# KiCad board maggie42rs_pcb.kicad_pcb
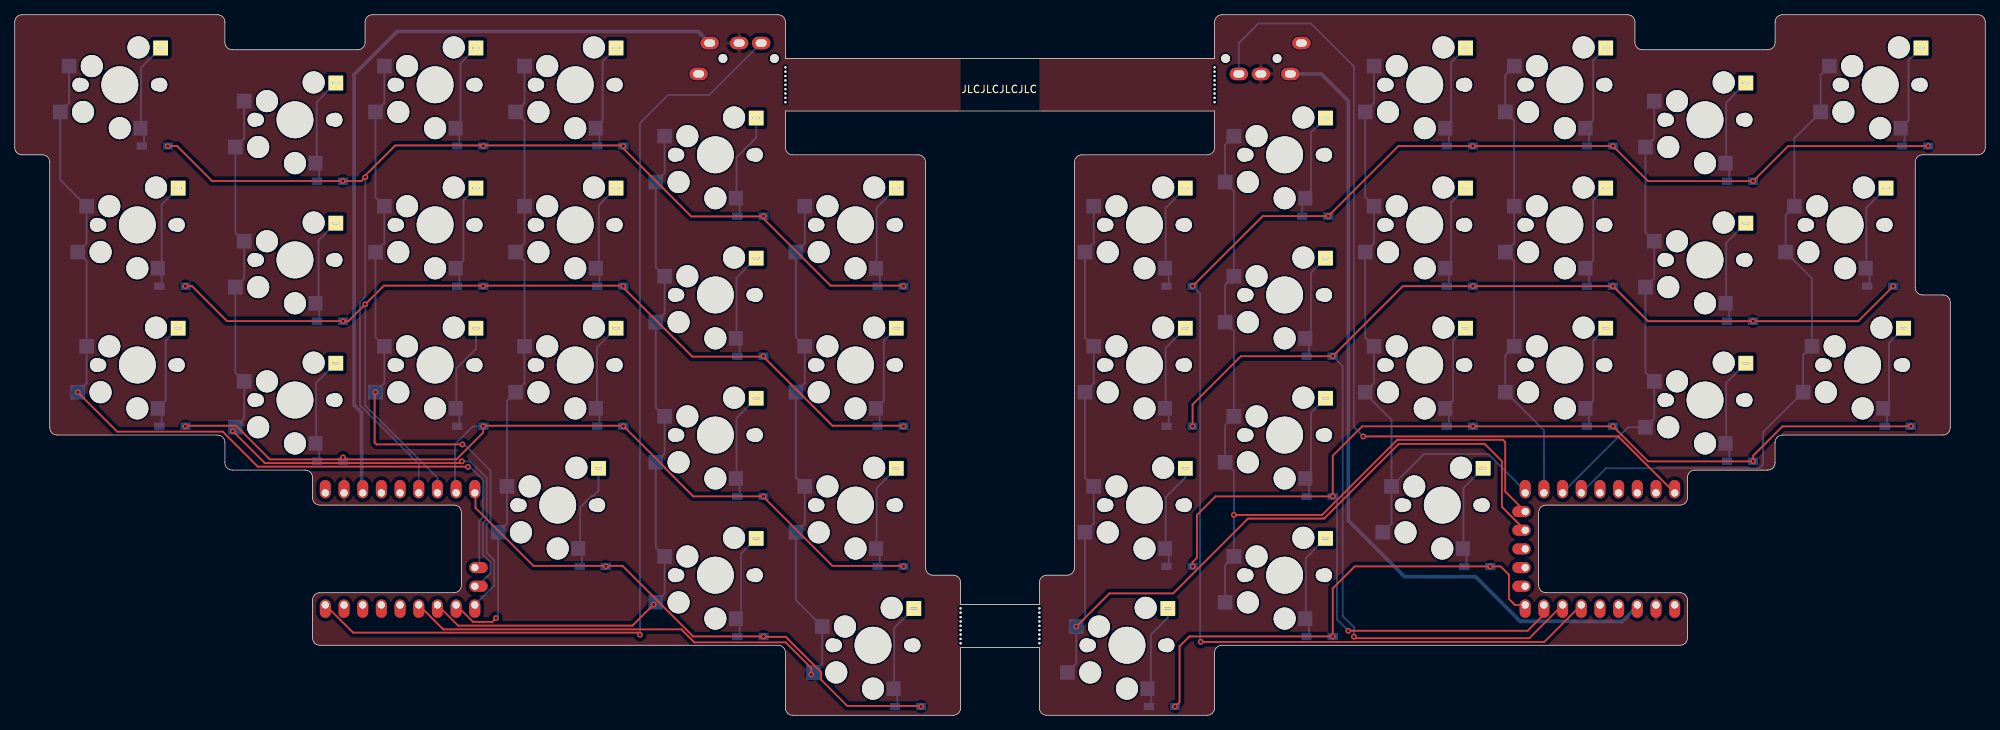
[diagram p0: board, top side]
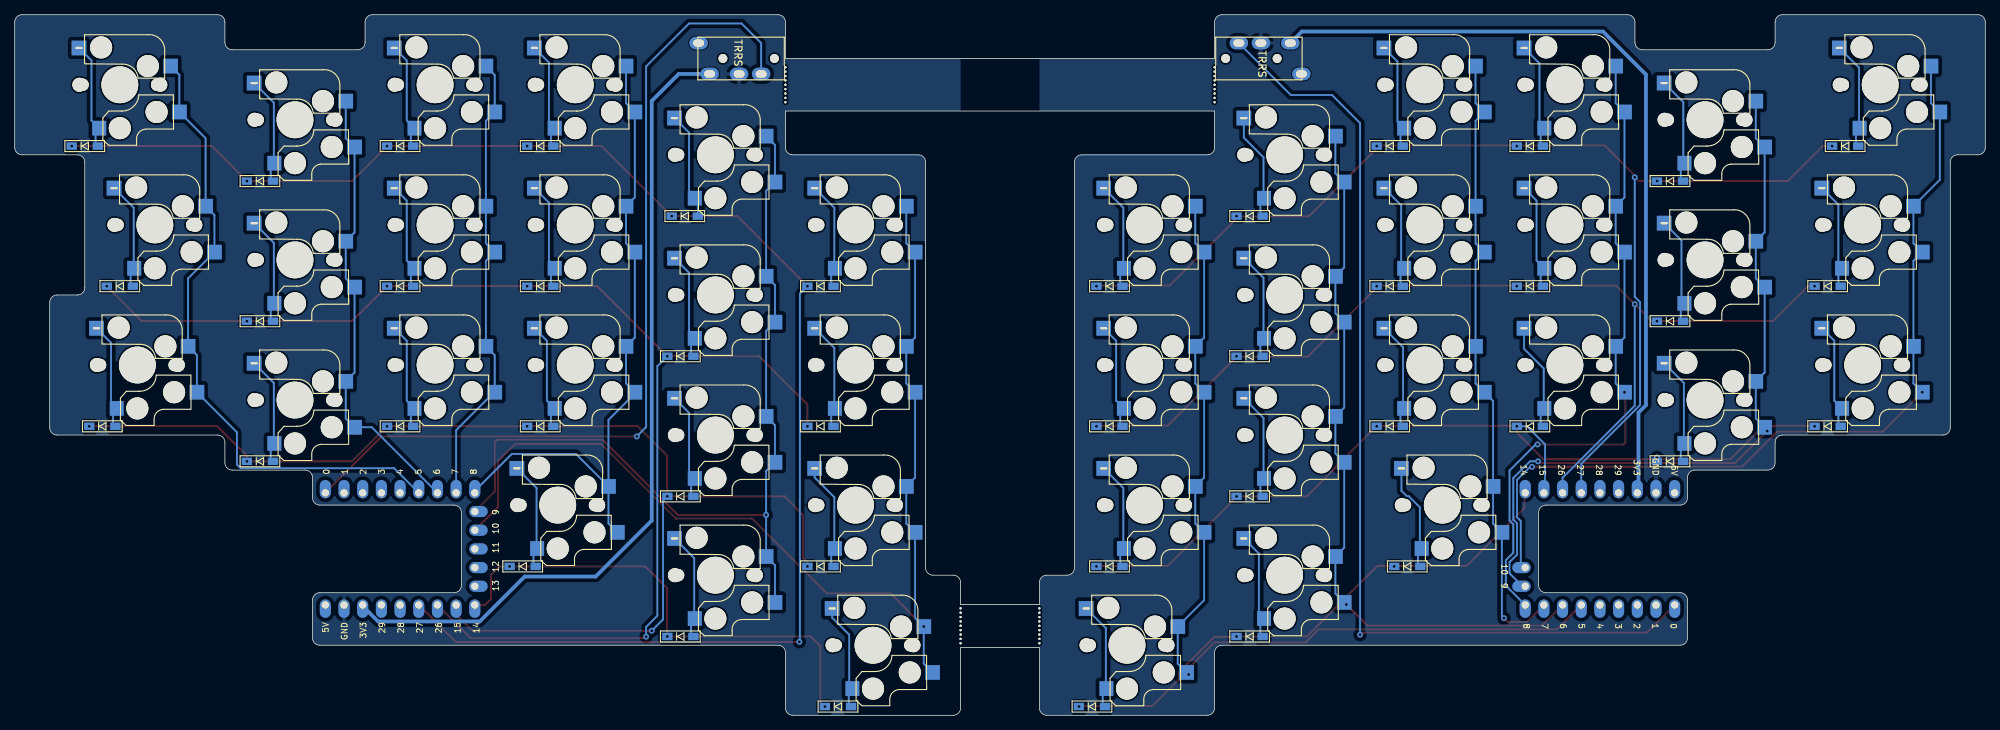
[diagram p1: board, bottom side, seen from below]

Outline 267.89 x 95.25 mm; copper layers: Top, Bottom. Coordinates in mm from the lower left corner of the outline.
Outline path: 0,94.25 arc(0.29,94.96) 1,95.25 27.57,95.25 arc(28.28,94.96) 28.57,94.25 28.57,91.49 arc(28.87,90.78) 29.57,90.49 46.62,90.49 arc(47.33,90.78) 47.62,91.49 47.62,94.25 arc(47.92,94.96) 48.62,95.25 103.78,95.25 arc(104.48,94.96) 104.78,94.25 104.78,89.3 163.12,89.3 163.12,94.25 arc(163.41,94.96) 164.12,95.25 219.27,95.25 arc(219.97,94.96) 220.27,94.25 220.27,91.49 arc(220.56,90.78) 221.27,90.49 238.32,90.49 arc(239.02,90.78) 239.32,91.49 239.32,94.25 arc(239.61,94.96) 240.32,95.25 266.89,95.25 arc(267.6,94.96) 267.89,94.25 267.89,77.2 arc(267.6,76.49) 266.89,76.2 259.37,76.2 arc(258.66,75.91) 258.37,75.2 258.37,58.15 arc(258.66,57.44) 259.37,57.15 262.13,57.15 arc(262.84,56.86) 263.13,56.15 263.13,39.1 arc(262.84,38.39) 262.13,38.1 240.32,38.1 arc(239.61,37.81) 239.32,37.1 239.32,34.34 arc(239.02,33.63) 238.32,33.34 228.41,33.34 arc(227.7,33.04) 227.41,32.34 227.41,29.57 arc(227.12,28.87) 226.41,28.57 208.17,28.57 arc(207.46,28.28) 207.17,27.57 207.17,17.67 arc(207.46,16.96) 208.17,16.67 226.41,16.67 arc(227.12,16.38) 227.41,15.67 227.41,10.52 arc(227.12,9.82) 226.41,9.52 164.12,9.52 arc(163.41,9.23) 163.12,8.52 163.12,1 arc(162.82,0.29) 162.12,0 140.3,0 arc(139.6,0.29) 139.3,1 139.3,9.21 128.59,9.21 128.59,1 arc(128.29,0.29) 127.59,0 105.78,0 arc(105.07,0.29) 104.78,1 104.78,8.52 arc(104.48,9.23) 103.78,9.52 41.48,9.52 arc(40.77,9.82) 40.48,10.52 40.48,15.67 arc(40.77,16.38) 41.48,16.67 59.72,16.67 arc(60.43,16.96) 60.72,17.67 60.72,27.57 arc(60.43,28.28) 59.72,28.57 41.48,28.57 arc(40.77,28.87) 40.48,29.57 40.48,32.34 arc(40.19,33.04) 39.48,33.34 29.57,33.34 arc(28.87,33.63) 28.57,34.34 28.57,37.1 arc(28.28,37.81) 27.57,38.1 5.76,38.1 arc(5.06,38.39) 4.76,39.1 4.76,75.2 arc(4.47,75.91) 3.76,76.2 1,76.2 arc(0.29,76.49) 0,77.2 0,94.25 ; 104.78,77.2 104.78,82.15 163.12,82.15 163.12,77.2 arc(162.82,76.49) 162.12,76.2 145.07,76.2 arc(144.36,75.91) 144.07,75.2 144.07,20.05 arc(143.77,19.34) 143.07,19.05 140.3,19.05 arc(139.6,18.76) 139.3,18.05 139.3,15.05 128.59,15.05 128.59,18.05 arc(128.29,18.76) 127.59,19.05 124.83,19.05 arc(124.12,19.34) 123.83,20.05 123.83,75.2 arc(123.53,75.91) 122.83,76.2 105.78,76.2 arc(105.07,76.49) 104.78,77.2

## Placement (name value [footprint] x y rotation side)
D1  D  [D3_SMD_v2]  19.05 77.39 180 bottom
D2  D  [D3_SMD_v2]  42.86 72.63 180 bottom
D3  D  [D3_SMD_v2]  61.91 77.39 180 bottom
D4  D  [D3_SMD_v2]  80.96 77.39 180 bottom
D5  D  [D3_SMD_v2]  100.01 67.87 180 bottom
D6  D  [D3_SMD_v2]  119.06 58.34 180 bottom
D7  D  [D3_SMD_v2]  21.43 58.34 180 bottom
D8  D  [D3_SMD_v2]  42.86 53.58 180 bottom
D9  D  [D3_SMD_v2]  61.91 58.34 180 bottom
D10  D  [D3_SMD_v2]  80.96 58.34 180 bottom
D11  D  [D3_SMD_v2]  100.01 48.82 180 bottom
D12  D  [D3_SMD_v2]  119.06 39.29 180 bottom
D13  D  [D3_SMD_v2]  21.43 39.29 180 bottom
D14  D  [D3_SMD_v2]  42.86 34.53 180 bottom
D15  D  [D3_SMD_v2]  61.91 39.29 180 bottom
D16  D  [D3_SMD_v2]  80.96 39.29 180 bottom
D17  D  [D3_SMD_v2]  100.01 29.77 180 bottom
D18  D  [D3_SMD_v2]  119.06 20.24 180 bottom
D19  D  [D3_SMD_v2]  78.58 20.24 180 bottom
D20  D  [D3_SMD_v2]  100.01 10.72 180 bottom
D21  D  [D3_SMD_v2]  121.44 1.19 180 bottom
D22  D  [D3_SMD_v2]  158.35 58.34 180 bottom
D23  D  [D3_SMD_v2]  176.8 67.87 180 bottom
D24  D  [D3_SMD_v2]  196.45 77.39 180 bottom
D25  D  [D3_SMD_v2]  215.5 77.39 180 bottom
D26  D  [D3_SMD_v2]  234.55 72.63 180 bottom
D27  D  [D3_SMD_v2]  258.37 77.39 180 bottom
D28  D  [D3_SMD_v2]  158.35 39.29 180 bottom
D29  D  [D3_SMD_v2]  177.4 48.82 180 bottom
D30  D  [D3_SMD_v2]  196.45 58.34 180 bottom
D31  D  [D3_SMD_v2]  215.5 58.34 180 bottom
D32  D  [D3_SMD_v2]  234.55 53.58 180 bottom
D33  D  [D3_SMD_v2]  253.6 58.34 180 bottom
D34  D  [D3_SMD_v2]  158.35 20.24 180 bottom
D35  D  [D3_SMD_v2]  177.4 29.77 180 bottom
D36  D  [D3_SMD_v2]  196.45 39.29 180 bottom
D37  D  [D3_SMD_v2]  215.5 39.29 180 bottom
D38  D  [D3_SMD_v2]  234.55 34.53 180 bottom
D39  D  [D3_SMD_v2]  255.98 39.29 180 bottom
D40  D  [D3_SMD_v2]  155.97 1.19 180 bottom
D41  D  [D3_SMD_v2]  177.4 10.72 180 bottom
D42  D  [D3_SMD_v2]  198.83 20.24 180 bottom
J1  TRRS  [MJ-4PP-9_1side]  104.78 89.3 90 bottom
J2  TRRS  [MJ-4PP-9_1side]  163.12 89.3 270 bottom
REF**  -  [Breakaway_Tabs]  128.59 12.17 90 top
REF**#2  -  [Breakaway_Tabs]  139.3 12.17 90 top
REF**#3  -  [Breakaway_Tabs]  163.12 85.72 90 top
REF**#4  -  [Breakaway_Tabs]  104.78 85.72 90 top
SW1  SW_PUSH  [CherryMX_ChocV2_Hotswap_1.5u]  14.29 85.72 0 top
SW2  SW_PUSH  [CherryMX_ChocV2_Hotswap]  38.1 80.96 0 top
SW3  SW_PUSH  [CherryMX_ChocV2_Hotswap]  57.15 85.72 0 top
SW4  SW_PUSH  [CherryMX_ChocV2_Hotswap]  76.2 85.72 0 top
SW5  SW_PUSH  [CherryMX_ChocV2_Hotswap]  95.25 76.2 0 top
SW6  SW_PUSH  [CherryMX_ChocV2_Hotswap]  114.3 66.67 0 top
SW7  SW_PUSH  [CherryMX_ChocV2_Hotswap_1.25u]  16.67 66.67 0 top
SW8  SW_PUSH  [CherryMX_ChocV2_Hotswap]  38.1 61.91 0 top
SW9  SW_PUSH  [CherryMX_ChocV2_Hotswap]  57.15 66.67 0 top
SW10  SW_PUSH  [CherryMX_ChocV2_Hotswap]  76.2 66.67 0 top
SW11  SW_PUSH  [CherryMX_ChocV2_Hotswap]  95.25 57.15 0 top
SW12  SW_PUSH  [CherryMX_ChocV2_Hotswap]  114.3 47.62 0 top
SW13  SW_PUSH  [CherryMX_ChocV2_Hotswap_1.25u]  16.67 47.62 0 top
SW14  SW_PUSH  [CherryMX_ChocV2_Hotswap]  38.1 42.86 0 top
SW15  SW_PUSH  [CherryMX_ChocV2_Hotswap]  57.15 47.62 0 top
SW16  SW_PUSH  [CherryMX_ChocV2_Hotswap]  76.2 47.62 0 top
SW17  SW_PUSH  [CherryMX_ChocV2_Hotswap]  95.25 38.1 0 top
SW18  SW_PUSH  [CherryMX_ChocV2_Hotswap]  114.3 28.57 0 top
SW19  SW_PUSH  [CherryMX_ChocV2_Hotswap_1.25u]  73.82 28.57 0 top
SW20  SW_PUSH  [CherryMX_ChocV2_Hotswap]  95.25 19.05 0 top
SW21  SW_PUSH  [CherryMX_ChocV2_Hotswap_1.25u]  116.68 9.52 0 top
SW22  SW_PUSH  [CherryMX_ChocV2_Hotswap]  153.59 66.67 0 top
SW23  SW_PUSH  [CherryMX_ChocV2_Hotswap]  172.64 76.2 0 top
SW24  SW_PUSH  [CherryMX_ChocV2_Hotswap]  191.69 85.72 0 top
SW25  SW_PUSH  [CherryMX_ChocV2_Hotswap]  210.74 85.72 0 top
SW26  SW_PUSH  [CherryMX_ChocV2_Hotswap]  229.79 80.96 0 top
SW27  SW_PUSH  [CherryMX_ChocV2_Hotswap_1.5u]  253.6 85.72 0 top
SW28  SW_PUSH  [CherryMX_ChocV2_Hotswap]  153.59 47.62 0 top
SW29  SW_PUSH  [CherryMX_ChocV2_Hotswap]  172.64 57.15 0 top
SW30  SW_PUSH  [CherryMX_ChocV2_Hotswap]  191.69 66.67 0 top
SW31  SW_PUSH  [CherryMX_ChocV2_Hotswap]  210.74 66.67 0 top
SW32  SW_PUSH  [CherryMX_ChocV2_Hotswap]  229.79 61.91 0 top
SW33  SW_PUSH  [CherryMX_ChocV2_Hotswap]  248.84 66.67 0 top
SW34  SW_PUSH  [CherryMX_ChocV2_Hotswap]  153.59 28.57 0 top
SW35  SW_PUSH  [CherryMX_ChocV2_Hotswap]  172.64 38.1 0 top
SW36  SW_PUSH  [CherryMX_ChocV2_Hotswap]  191.69 47.62 0 top
SW37  SW_PUSH  [CherryMX_ChocV2_Hotswap]  210.74 47.62 0 top
SW38  SW_PUSH  [CherryMX_ChocV2_Hotswap]  229.79 42.86 0 top
SW39  SW_PUSH  [CherryMX_ChocV2_Hotswap_1.25u]  251.22 47.62 0 top
SW40  SW_PUSH  [CherryMX_ChocV2_Hotswap_1.25u]  151.21 9.52 0 top
SW41  SW_PUSH  [CherryMX_ChocV2_Hotswap]  172.64 19.05 0 top
SW42  SW_PUSH  [CherryMX_ChocV2_Hotswap_1.25u]  194.07 28.57 0 top
U1  rp2040-zero  [rp2040-zero-tht]  52.39 22.62 270 bottom
U2  rp2040-zero  [rp2040-zero-tht#2]  215.5 22.62 90 bottom

## Library data of the parts
D1-D42 = -: Description: Diode; Sim.Pins: 1=K 2=A

## Footprints (pads in the part's own frame, mm; a bottom-side part is the same pattern mirrored in y, then rotated)
Breakaway_Tabs
  round 0.3 hole 0.3 unplated: (-2.375,0) (-1.781,0) (-1.188,0) (-0.594,0) (0,0) (0.594,0) (1.188,0) (1.781,0) (2.375,0)
CherryMX_ChocV2_Hotswap
  round 1.9 hole 1.9 unplated: (-5.5,0) (5.5,0)
  round 1.7 hole 1.7 unplated: (-5.08,0) (5.08,0)
  round 3 hole 3 unplated: (-5,-3.7) (-3.81,2.54) (0,-5.9) (2.54,5.08)
  round 4 hole 4 unplated: (0,0)
  round 5 hole 5 unplated: (0,0)
  rect 2x2 smd far side: 1(-8.1,-3.7) 1(-6.9,2.54)
  rect 1.9x2 smd far side: 2(2.8,-5.9)
  rect 2x2 hole 1x0.3: 2(5.55,5)
CherryMX_ChocV2_Hotswap_1.5u
  round 1.9 hole 1.9 unplated: (-5.5,0) (5.5,0)
  round 1.7 hole 1.7 unplated: (-5.08,0) (5.08,0)
  round 3 hole 3 unplated: (-5,-3.7) (-3.81,2.54) (0,-5.9) (2.54,5.08)
  round 4 hole 4 unplated: (0,0)
  round 5 hole 5 unplated: (0,0)
  rect 2x2 smd far side: 1(-8.1,-3.7) 1(-6.9,2.54)
  rect 1.9x2 smd far side: 2(2.8,-5.9)
  rect 2x2 hole 1x0.3: 2(5.55,5)
CherryMX_ChocV2_Hotswap_1.25u
  round 1.9 hole 1.9 unplated: (-5.5,0) (5.5,0)
  round 1.7 hole 1.7 unplated: (-5.08,0) (5.08,0)
  round 3 hole 3 unplated: (-5,-3.7) (-3.81,2.54) (0,-5.9) (2.54,5.08)
  round 4 hole 4 unplated: (0,0)
  round 5 hole 5 unplated: (0,0)
  rect 2x2 smd far side: 1(-8.1,-3.7) 1(-6.9,2.54)
  rect 1.9x2 smd far side: 2(2.8,-5.9)
  rect 2x2 hole 1x0.3: 2(5.55,5)
D3_SMD_v2
  rect 1.4x1 smd: 1(-1.775,0) 2(1.775,0)
MJ-4PP-9_1side
  round 1.2 hole 1.2 unplated: (0,-8.5) (0,-1.5)
  oval 1.7x2.5 hole 1x1.5: A(-2.1,-11.8) B(2.1,-3.3) C(2.1,-6.3) D(2.1,-10.3)
rp2040-zero-tht
  oval 2.5x1.5 hole 1: 1(7.62,10.16) 2(7.62,7.62) 3(7.62,5.08) 4(7.62,2.54) 5(7.62,0) 6(7.62,-2.54) 7(7.62,-5.08) 8(7.62,-7.62) 9(7.62,-10.16) 15(-7.62,-10.16) 16(-7.62,-7.62) 17(-7.62,-5.08) 18(-7.62,-2.54) 19(-7.62,0) 20(-7.62,2.54) 21(-7.62,5.08) 22(-7.62,7.62) 23(-7.62,10.16)
  oval 1.5x2.5 hole 1: 10(5.08,-10.16) 11(2.54,-10.16)
rp2040-zero-tht#2
  oval 2.5x1.5 hole 1: 1(7.62,10.16) 2(7.62,7.62) 3(7.62,5.08) 4(7.62,2.54) 5(7.62,0) 6(7.62,-2.54) 7(7.62,-5.08) 8(7.62,-7.62) 9(7.62,-10.16) 15(-7.62,-10.16) 16(-7.62,-7.62) 17(-7.62,-5.08) 18(-7.62,-2.54) 19(-7.62,0) 20(-7.62,2.54) 21(-7.62,5.08) 22(-7.62,7.62) 23(-7.62,10.16)
  oval 1.5x2.5 hole 1: 10(5.08,-10.16) 11(2.54,-10.16) 12(0,-10.16) 13(-2.54,-10.16) 14(-5.08,-10.16)

## Nets
GND: J1.C U1.22
GNDA: J2.C U2.22
VCC: J1.D U1.21
VDD: J2.D U2.21
LCOL0: SW1.1 SW7.1 SW13.1 U1.11
LCOL1: SW2.1 SW8.1 SW14.1 U1.10
LCOL2: SW3.1 SW9.1 SW15.1 U1.9
LCOL3: SW4.1 SW10.1 SW16.1 SW19.1 U1.8
LCOL4: SW5.1 SW11.1 SW17.1 SW20.1 U1.7
LCOL5: SW6.1 SW12.1 SW18.1 SW21.1 U1.6
LPIO: J1.B U1.1
LROW0: D1.1 D2.1 D3.1 D4.1 D5.1 D6.1 U1.18
LROW1: D7.1 D8.1 D9.1 D10.1 D11.1 D12.1 U1.17
LROW2: D13.1 D14.1 D15.1 D16.1 D17.1 D18.1 U1.16
LROW3: D19.1 D20.1 D21.1 U1.15
RCOL0: SW22.1 SW28.1 SW34.1 SW40.1 U2.11
RCOL1: SW23.1 SW29.1 SW35.1 SW41.1 U2.10
RCOL2: SW24.1 SW30.1 SW36.1 SW42.1 U2.9
RCOL3: SW25.1 SW31.1 SW37.1 U2.8
RCOL4: SW26.1 SW32.1 SW38.1 U2.7
RCOL5: SW27.1 SW33.1 SW39.1 U2.6
RPIO: J2.B U2.1
RROW0: D22.1 D23.1 D24.1 D25.1 D26.1 D27.1 U2.18
RROW1: D28.1 D29.1 D30.1 D31.1 D32.1 D33.1 U2.17
RROW2: D34.1 D35.1 D36.1 D37.1 D38.1 D39.1 U2.16
RROW3: D40.1 D41.1 D42.1 U2.15
Net-(D1-A): D1.2 SW1.2
Net-(D2-A): D2.2 SW2.2
Net-(D3-A): D3.2 SW3.2
Net-(D4-A): D4.2 SW4.2
Net-(D5-A): D5.2 SW5.2
Net-(D6-A): D6.2 SW6.2
Net-(D7-A): D7.2 SW7.2
Net-(D8-A): D8.2 SW8.2
Net-(D9-A): D9.2 SW9.2
Net-(D10-A): D10.2 SW10.2
Net-(D11-A): D11.2 SW11.2
Net-(D12-A): D12.2 SW12.2
Net-(D13-A): D13.2 SW13.2
Net-(D14-A): D14.2 SW14.2
Net-(D15-A): D15.2 SW15.2
Net-(D16-A): D16.2 SW16.2
Net-(D17-A): D17.2 SW17.2
Net-(D18-A): D18.2 SW18.2
Net-(D19-A): D19.2 SW19.2
Net-(D20-A): D20.2 SW20.2
Net-(D21-A): D21.2 SW21.2
Net-(D22-A): D22.2 SW22.2
Net-(D23-A): D23.2 SW23.2
Net-(D24-A): D24.2 SW24.2
Net-(D25-A): D25.2 SW25.2
Net-(D26-A): D26.2 SW26.2
Net-(D27-A): D27.2 SW27.2
Net-(D28-A): D28.2 SW28.2
Net-(D29-A): D29.2 SW29.2
Net-(D30-A): D30.2 SW30.2
Net-(D31-A): D31.2 SW31.2
Net-(D32-A): D32.2 SW32.2
Net-(D33-A): D33.2 SW33.2
Net-(D34-A): D34.2 SW34.2
Net-(D35-A): D35.2 SW35.2
Net-(D36-A): D36.2 SW36.2
Net-(D37-A): D37.2 SW37.2
Net-(D38-A): D38.2 SW38.2
Net-(D39-A): D39.2 SW39.2
Net-(D40-A): D40.2 SW40.2
Net-(D41-A): D41.2 SW41.2
Net-(D42-A): D42.2 SW42.2

Pads without a net: J1 A; J2 A; U1 2 3 4 5 19 20 23; U2 2 3 4 5 12 13 14 19 20 23

## Via types
v1: diameter 0.8, hole 0.4, Top to Bottom, 60 vias

## Routing (per net, layer and track width the routed paths; a pad name or vN(x,y) marks a point on that pad's centre or on a via; arc(x,y) is an arc through that point)
VCC: length 108.8
  Bottom w0.5: J1.D 92.91,92.96 51.97,92.96 46.13,87.12 46.13,42.16 47.15,41.15 47.15,30.4 U1.21
VDD: length 112.4
  Bottom w0.5: J2.D 177.62,87.2 181.29,83.52 181.29,26.48 188.91,18.86 198.56,18.86 204.66,12.76 218.5,12.76 220.58,14.84 U2.21
LCOL0: length 120.2
  Top w0.25: v1(61.62,33.78) 61.6,33.8 33.05,33.8 28.29,38.57 13.93,38.57 v1(8.57,43.92)
  Bottom w0.25: U1.11 63.15,20.69 63.15,26.42 63.66,26.92 63.66,32 61.89,33.78 v1(61.62,33.78) ; v1(8.57,43.92) 9.77,45.12 SW13.1 9.77,61.77 SW7.1 9.77,64.17 SW7.1 6.19,72.8 SW1.1 7.39,83.22 7.39,88.26
LCOL1: length 100.6
  Top w0.25: v1(60.79,34.53) 60.56,34.29 34,34.29 v1(29.64,38.65)
  Bottom w0.25: v1(60.79,34.53) 61.9,34.53 64.17,32.26 64.17,26.61 63.66,26.1 63.66,21.84 64.67,20.83 64.67,19.3 62.91,17.54 U1.10 ; SW2.1 31.2,78.46 SW2.1 30,65.65 SW8.1 31.2,59.41 SW8.1 30,46.6 31.2,45.4 31.2,40.36 SW14.1
LCOL2: length 91
  Top w0.25: v1(60.87,36.83) 49.19,36.83 48.93,37.08 48.93,43.8 v1(49.05,43.92)
  Bottom w0.25: v1(60.87,36.83) 61.12,36.83 64.67,33.27 64.67,26.48 64.17,25.97 64.17,22.1 65.18,21.08 65.18,17.64 U1.9 ; SW3.1 50.25,83.22 SW3.1 49.05,70.41 SW9.1 50.25,64.17 SW9.1 49.05,51.36 SW15.1 50.25,45.12 v1(49.05,43.92)
LCOL3: length 85.2
  Top w0.25: U1.8 62.31,12.7 64.93,12.7 v1(65.44,13.21)
  Bottom w0.25: SW4.1 69.3,83.22 SW4.1 69.3,80.82 SW10.1 69.3,64.17 SW10.1 69.3,61.77 SW16.1 69.3,45.12 SW16.1 66.92,42.74 SW19.1 66.92,26.07 SW19.1 65.72,13.49 v1(65.44,13.21)
LCOL4: length 98.6
  Top w0.25: v1(86.86,15.06) 86.85,15.06 83.98,12.19 60.28,12.19 U1.7
  Bottom w0.25: SW5.1 88.35,73.7 SW5.1 87.15,60.89 SW11.1 88.35,54.65 SW11.1 87.15,41.84 SW17.1 88.35,35.6 SW17.1 87.15,22.79 SW20.1 88.35,16.55 SW20.1
LCOL5: length 125.7
  Top w0.25: v1(108.29,5.54) 108.29,6.42 104.81,9.91 92.41,9.91 90.63,11.68 58.25,11.68 U1.6
  Bottom w0.25: SW6.1 107.4,64.17 SW6.1 106.2,51.36 SW12.1 107.4,45.12 SW12.1 106.2,32.31 SW18.1 107.4,26.07 SW18.1 106.2,15.65 SW21.1 109.78,7.02 SW21.1
LPIO: length 135
  Top w0.25: v1(84.99,10.96) 84.72,11.23 46,11.23 U1.1
  Bottom w0.25: J1.B 94.41,84.33 88.8,84.33 84.99,80.52 v1(84.99,10.96)
LROW0: length 159.1
  Top w0.25: v1(20.82,77.39) 22.08,77.39 26.83,72.64 v1(44.61,72.64) 47.15,72.64 v1(47.66,73.15) 47.66,73.41 51.72,77.47 63.61,77.47 v1(63.69,77.39) 63.77,77.47 82.66,77.47 v1(82.74,77.39) 82.74,77.06 91.98,67.82 101.74,67.82 v1(101.79,67.87) 101.79,67.54 110.9,58.42 120.76,58.42 v1(120.84,58.34)
  Bottom w0.25: U1.18 54.93,34.18 46.93,42.18 46.93,56.18 47.66,56.91 v1(47.66,73.15)
LROW1: length 139.5
  Top w0.25: v1(120.84,39.29) 120.76,39.37 111.16,39.37 101.79,48.74 v1(101.79,48.82) 101.74,48.77 92.11,48.77 82.74,58.14 v1(82.74,58.34) 82.66,58.42 63.77,58.42 v1(63.69,58.34) 63.61,58.42 50.2,58.42 v1(47.66,55.88) 45.35,53.58 v1(44.64,53.58) 44.62,53.59 28.86,53.59 24.11,58.34 v1(23.21,58.34)
  Bottom w0.25: v1(47.66,55.88) 47.66,42.09 57.47,32.28 U1.17
LROW2: length 121.7
  Top w0.25: v1(120.84,20.24) 120.76,20.32 111.16,20.32 101.79,29.69 v1(101.79,29.77) 92.23,29.77 88.38,33.62 88.38,33.7 82.79,39.29 v1(82.74,39.29) 82.66,39.37 63.77,39.37 v1(63.69,39.29) 63.69,38.45 60.04,34.8 44.89,34.8 v1(44.64,35.05) 44.38,34.8 34.67,34.8 30.1,39.37 23.29,39.37 v1(23.21,39.29)
  Bottom w0.25: U1.16 59.85,30.4 59.85,36.83 62.31,39.29 v1(63.69,39.29)
LROW3: length 75
  Top w0.25: v1(123.22,1.19) 123.14,1.27 113.19,1.27 109.63,4.83 109.63,5.84 104.81,10.67 101.84,10.67 v1(101.79,10.72) 92.23,10.72 82.63,20.32 80.44,20.32 v1(80.36,20.24) 80.28,20.32 70.52,20.32 62.64,28.19 62.64,30.15 U1.15
  Bottom w0.25: v1(80.36,20.24) 80.69,20.58
RCOL0: length 146.7
  Top w0.25: v1(144.31,12.06) 148.82,16.57 157.49,16.57 167.66,26.75 178.01,26.75 188.15,36.89 199.83,36.89 202.18,34.55 202.18,28.33 U2.11
  Bottom w0.25: SW22.1 146.69,64.17 SW22.1 145.49,51.36 SW28.1 146.69,45.12 SW28.1 145.49,32.31 SW34.1 146.69,26.07 SW34.1 145.49,13.25 v1(144.31,12.06) 144.31,7.02 SW40.1
RCOL1: length 118.7
  Top w0.25: v1(165.74,27.24) 177.74,27.24 187.95,37.46 202.32,37.46 202.63,37.15 202.63,30.42 U2.10
  Bottom w0.25: SW23.1 164.54,77.54 SW23.1 165.74,71.3 SW29.1 164.54,58.49 SW29.1 165.74,52.25 SW35.1 164.54,39.44 SW35.1 165.74,33.2 SW41.1 164.54,20.39 SW41.1
RCOL2: length 90.2
  Bottom w0.25: SW42.1 187.17,26.07 SW42.1 ; SW42.1 191.59,35.53 200.32,35.53 205.34,30.5 U2.9 ; SW42.1 187.17,40.16 183.59,43.74 SW36.1 184.79,45.12 SW36.1 183.59,51.36 SW30.1 184.79,64.17 SW30.1 183.59,70.41 SW24.1 184.79,83.22 SW24.1
RCOL3: length 64.4
  Top w0.25: U2.8 207.88,31.89
  Bottom w0.25: U2.8 207.88,38.75 202.71,43.92 SW37.1 202.64,48.96 SW37.1 203.84,61.77 SW31.1 203.84,64.17 SW31.1 203.84,80.82 SW25.1 202.64,87.06 SW25.1
RCOL4: length 61.8
  Bottom w0.25: SW26.1 222.89,78.46 SW26.1 221.69,65.65 SW32.1 222.89,59.41 SW32.1 221.69,46.6 222.89,45.4 222.89,40.36 SW38.1 219.34,39.16 U2.7
RCOL5: length 87.2
  Bottom w0.25: U2.6 216.31,33.59 237.17,33.59 237.68,34.1 237.68,38.48 SW39.1 243.12,48.96 SW39.1 244.32,59.39 SW33.1 240.74,68.01 SW33.1 241.94,78.46 SW27.1 245.5,87.06 SW27.1
RPIO: length 119.7
  Top w0.25: v1(183.32,37.91) 218,37.91 U2.1
  Bottom w0.25: v1(183.32,37.91) 182.05,39.18 182.05,88.22 176.21,94.06 169.08,94.06 166.42,91.4 J2.B
RROW0: length 214.5
  Top w0.25: v1(161.23,9.99) 161.25,9.97 207.93,9.97 U2.18 ; v1(260.14,77.39) 241.09,77.39 v1(236.33,72.63) 222.04,72.63 v1(217.28,77.39) v1(198.23,77.39) 188.1,77.39 v1(178.57,67.87) 169.65,67.87 v1(160.13,58.34)
  Bottom w0.25: v1(161.23,9.99) 161.15,10.06 161.15,57.32 v1(160.13,58.34)
RROW1: length 178.5
  Top w0.25: U2.17 205.9,10.48 182.27,10.48 v1(182.05,10.69) ; v1(255.38,58.34) 250.62,53.58 v1(236.33,53.58) 222.04,53.58 v1(217.28,58.34) v1(198.23,58.34) 188.7,58.34 v1(179.18,48.82) 166.69,48.82 160.13,42.26 v1(160.13,39.29)
  Bottom w0.25: v1(179.18,48.82) 180.53,47.46 180.53,13.53 182.05,12 v1(182.05,10.69)
RROW2: length 164.9
  Top w0.25: v1(181.29,11.49) 205.68,11.49 207.88,13.7 U2.16 ; v1(257.76,39.29) 240.33,39.29 236.33,35.29 v1(236.33,34.53) 222.04,34.53 v1(217.28,39.29) v1(198.23,39.29) 183.18,39.29 179.18,35.29 v1(179.18,29.77) 163.24,29.77 160.72,27.24 160.72,21.42 160.13,20.82 v1(160.13,20.24)
  Bottom w0.25: v1(179.18,29.77) 179.75,29.19 179.75,13.03 v1(181.29,11.49)
RROW3: length 67.9
  Top w0.25: U2.15 203.95,15 203.14,15.81 203.14,19.11 202.01,20.24 v1(200.61,20.24) 182.17,20.24 179.18,17.25 v1(179.18,10.72) 159.69,10.72 158.35,9.38 158.35,1.8 v1(157.75,1.19)
Net-(D1-A): length 14.2
  Bottom w0.25: SW1.2 17.16,88.05 17.16,79.9 SW1.2 ; 17.59,79.82 17.59,77.7
Net-(D2-A): length 14.2
  Bottom w0.25: SW2.2 41.05,83.37 41.05,75.22 SW2.2 ; 41.4,75.06 41.4,72.94
Net-(D3-A): length 14.2
  Bottom w0.25: 60.45,79.82 60.45,77.7 ; SW3.2 60.61,80.49 60.61,88.64 SW3.2
Net-(D4-A): length 14.2
  Bottom w0.25: SW4.2 79.91,88.89 79.91,80.74 SW4.2 ; 79.5,79.82 79.5,77.7
Net-(D5-A): length 14.2
  Bottom w0.25: 98.55,70.3 98.55,68.18 ; SW5.2 100.8,78.54 98.12,75.87 98.12,70.38 SW5.2
Net-(D6-A): length 14.2
  Bottom w0.25: SW6.2 117.18,60.85 117.18,69 SW6.2 ; 117.6,60.77 117.6,58.65
Net-(D7-A): length 14.2
  Bottom w0.25: SW7.2 19.97,69.43 19.97,61.28 SW7.2 ; 19.97,60.77 19.97,58.65
Net-(D8-A): length 14.2
  Bottom w0.25: SW8.2 41.31,64.57 41.31,56.42 SW8.2 ; 41.4,56.01 41.4,53.89
Net-(D9-A): length 14.2
  Bottom w0.25: 60.45,60.77 60.45,58.65 ; SW9.2 61.01,61.83 61.01,69.98 SW9.2
Net-(D10-A): length 14.2
  Bottom w0.25: 79.5,60.77 79.5,58.65 ; SW10.2 79.41,61.18 79.41,69.33 SW10.2
Net-(D11-A): length 14.2
  Bottom w0.25: SW11.2 98.12,51.32 98.12,59.47 SW11.2 ; 98.55,51.25 98.55,49.13
Net-(D12-A): length 14.2
  Bottom w0.25: SW12.2 118.16,42.78 118.16,50.93 SW12.2 ; 117.6,41.72 117.6,39.6
Net-(D13-A): length 14.2
  Bottom w0.25: SW13.2 20.52,50.93 20.52,42.78 SW13.2 ; 19.97,41.72 19.97,39.6
Net-(D14-A): length 14.2
  Bottom w0.25: 41.4,36.96 41.4,34.84 ; SW14.2 40.98,45.19 40.98,37.04 SW14.2
Net-(D15-A): length 14.2
  Bottom w0.25: SW15.2 62.7,49.83 60.02,47.15 60.02,41.8 SW15.2 ; 60.45,41.72 60.45,39.6
Net-(D16-A): length 14.2
  Bottom w0.25: SW16.2 79.15,50.03 79.15,41.88 SW16.2 ; 79.5,41.72 79.5,39.6
Net-(D17-A): length 14.2
  Bottom w0.25: 98.55,32.2 98.55,30.08 ; SW17.2 98.12,40.42 98.12,32.27 SW17.2
Net-(D18-A): length 14.2
  Bottom w0.25: SW18.2 117.18,22.75 117.18,30.9 SW18.2 ; 117.6,22.67 117.6,20.55
Net-(D19-A): length 14.3
  Bottom w0.25: 77.12,22.67 77.12,20.55 ; SW19.2 79.37,30.52 78.64,29.8 78.39,29.8 76.87,28.28 76.87,22.92 SW19.2
Net-(D20-A): length 14.2
  Bottom w0.25: SW20.2 98.75,22 98.75,13.85 SW20.2 ; 98.55,13.15 98.55,11.03
Net-(D21-A): length 14.2
  Bottom w0.25: SW21.2 119.56,11.85 119.56,3.7 SW21.2 ; 119.98,3.62 119.98,1.5
Net-(D22-A): length 14.6
  Bottom w0.25: SW22.2 156.47,69 156.47,60.85 SW22.2 ; 156.89,60.77 156.89,58.65 D22.2
Net-(D23-A): length 14.9
  Bottom w0.25: D23.2 175.02,69.38 175.94,70.3 ; SW23.2 176.21,79.22 176.21,71.07 SW23.2
Net-(D24-A): length 14.6
  Bottom w0.25: SW24.2 195.26,80.6 195.26,88.75 SW24.2 ; 194.99,79.82 194.99,77.7 D24.2
Net-(D25-A): length 14.6
  Bottom w0.25: SW25.2 214.6,80.88 214.6,89.03 SW25.2 ; D25.2 214.04,77.7 214.04,79.82
Net-(D26-A): length 14.6
  Bottom w0.25: SW26.2 232.67,83.29 232.67,75.14 SW26.2 ; D26.2 233.09,72.94 233.09,75.06
Net-(D27-A): length 14.6
  Bottom w0.25: D27.2 256.9,77.7 256.9,79.82 ; SW27.2 257.46,89.03 257.46,80.88 SW27.2
Net-(D28-A): length 14.6
  Bottom w0.25: SW28.2 156.47,41.8 156.47,49.95 SW28.2 ; D28.2 156.89,39.6 156.89,41.72
Net-(D29-A): length 14.6
  Bottom w0.25: SW29.2 176.21,52.02 176.21,60.17 SW29.2 ; D29.2 175.94,49.13 175.94,51.25
Net-(D30-A): length 14.6
  Bottom w0.25: SW30.2 195.26,69.7 195.26,61.55 SW30.2 ; D30.2 194.99,58.65 194.99,60.77
Net-(D31-A): length 14.6
  Bottom w0.25: 214.04,60.77 214.04,58.65 D31.2 ; SW31.2 214.6,61.83 214.6,69.98 SW31.2
Net-(D32-A): length 14.6
  Bottom w0.25: D32.2 233.09,53.89 233.09,56.01 ; SW32.2 232.67,64.24 232.67,56.09 SW32.2
Net-(D33-A): length 14.6
  Bottom w0.25: 252.14,60.77 252.14,58.65 D33.2 ; SW33.2 251.72,60.85 251.72,69 SW33.2
Net-(D34-A): length 14.6
  Bottom w0.25: D34.2 156.89,20.55 156.89,22.67 ; SW34.2 159.14,32.32 156.47,29.65 156.47,22.75 SW34.2
Net-(D35-A): length 14.6
  Bottom w0.25: SW35.2 176.21,41.12 176.21,32.97 SW35.2 ; 175.94,32.2 175.94,30.08 D35.2
Net-(D36-A): length 14.6
  Bottom w0.25: SW36.2 195.55,42.78 195.55,50.93 SW36.2 ; 194.99,41.72 194.99,39.6 D36.2
Net-(D37-A): length 14.6
  Bottom w0.25: SW37.2 214.6,50.93 214.6,42.78 SW37.2 ; D37.2 214.04,39.6 214.04,41.72
Net-(D38-A): length 14.6
  Bottom w0.25: 233.09,36.96 233.09,34.84 D38.2 ; SW38.2 232.67,45.19 232.67,37.04 SW38.2
Net-(D39-A): length 14.6
  Bottom w0.25: SW39.2 254.79,42.5 254.79,50.65 SW39.2 ; D39.2 254.52,39.6 254.52,41.72
Net-(D40-A): length 14.6
  Bottom w0.25: D40.2 154.51,1.5 154.51,3.62 ; SW40.2 156.76,13.27 154.45,10.96 154.45,4.06 SW40.2
Net-(D41-A): length 14.6
  Bottom w0.25: SW41.2 175.52,21.38 175.52,13.22 SW41.2 ; D41.2 175.94,11.03 175.94,13.15
Net-(D42-A): length 14.6
  Bottom w0.25: D42.2 197.37,20.55 197.37,22.67 ; SW42.2 196.95,22.75 196.95,30.9 SW42.2

## Copper pours and planes (outline as drawn; the poured copper is in the pictures)
GND on Top, Bottom: 0,95.25 128.59,95.25 128.59,0 0,0
GNDA on Top, Bottom: 267.89,95.25 139.3,95.25 139.3,0 267.89,0

## Text on the board
F.Silkscreen: JLCJLCJLCJLC
